# Allegro board Test_Version_2Layer_Buidling.brd
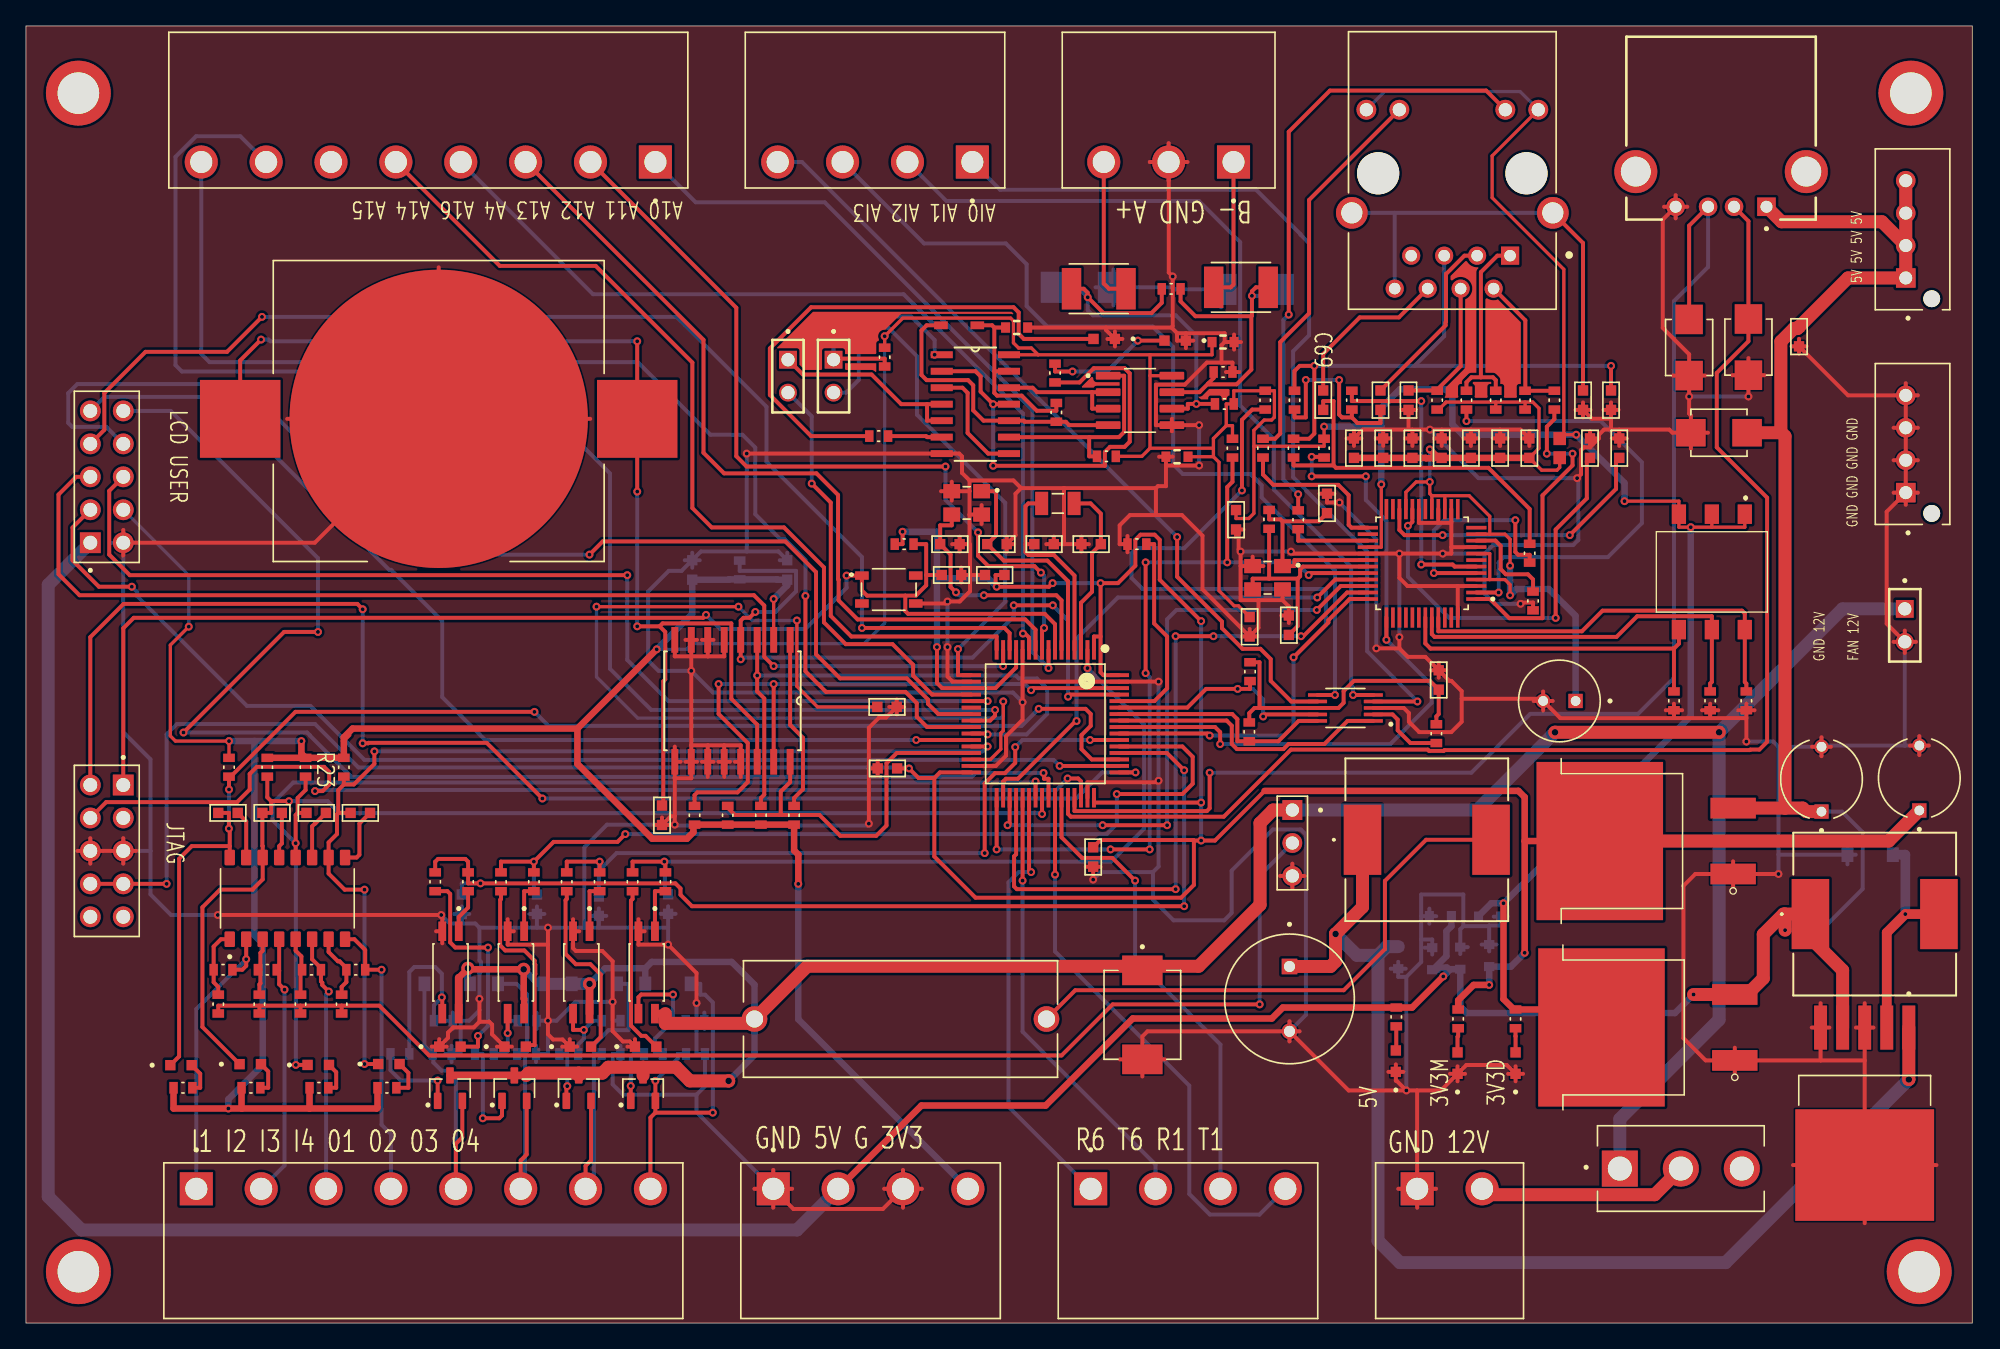
[diagram p0: board, top side]
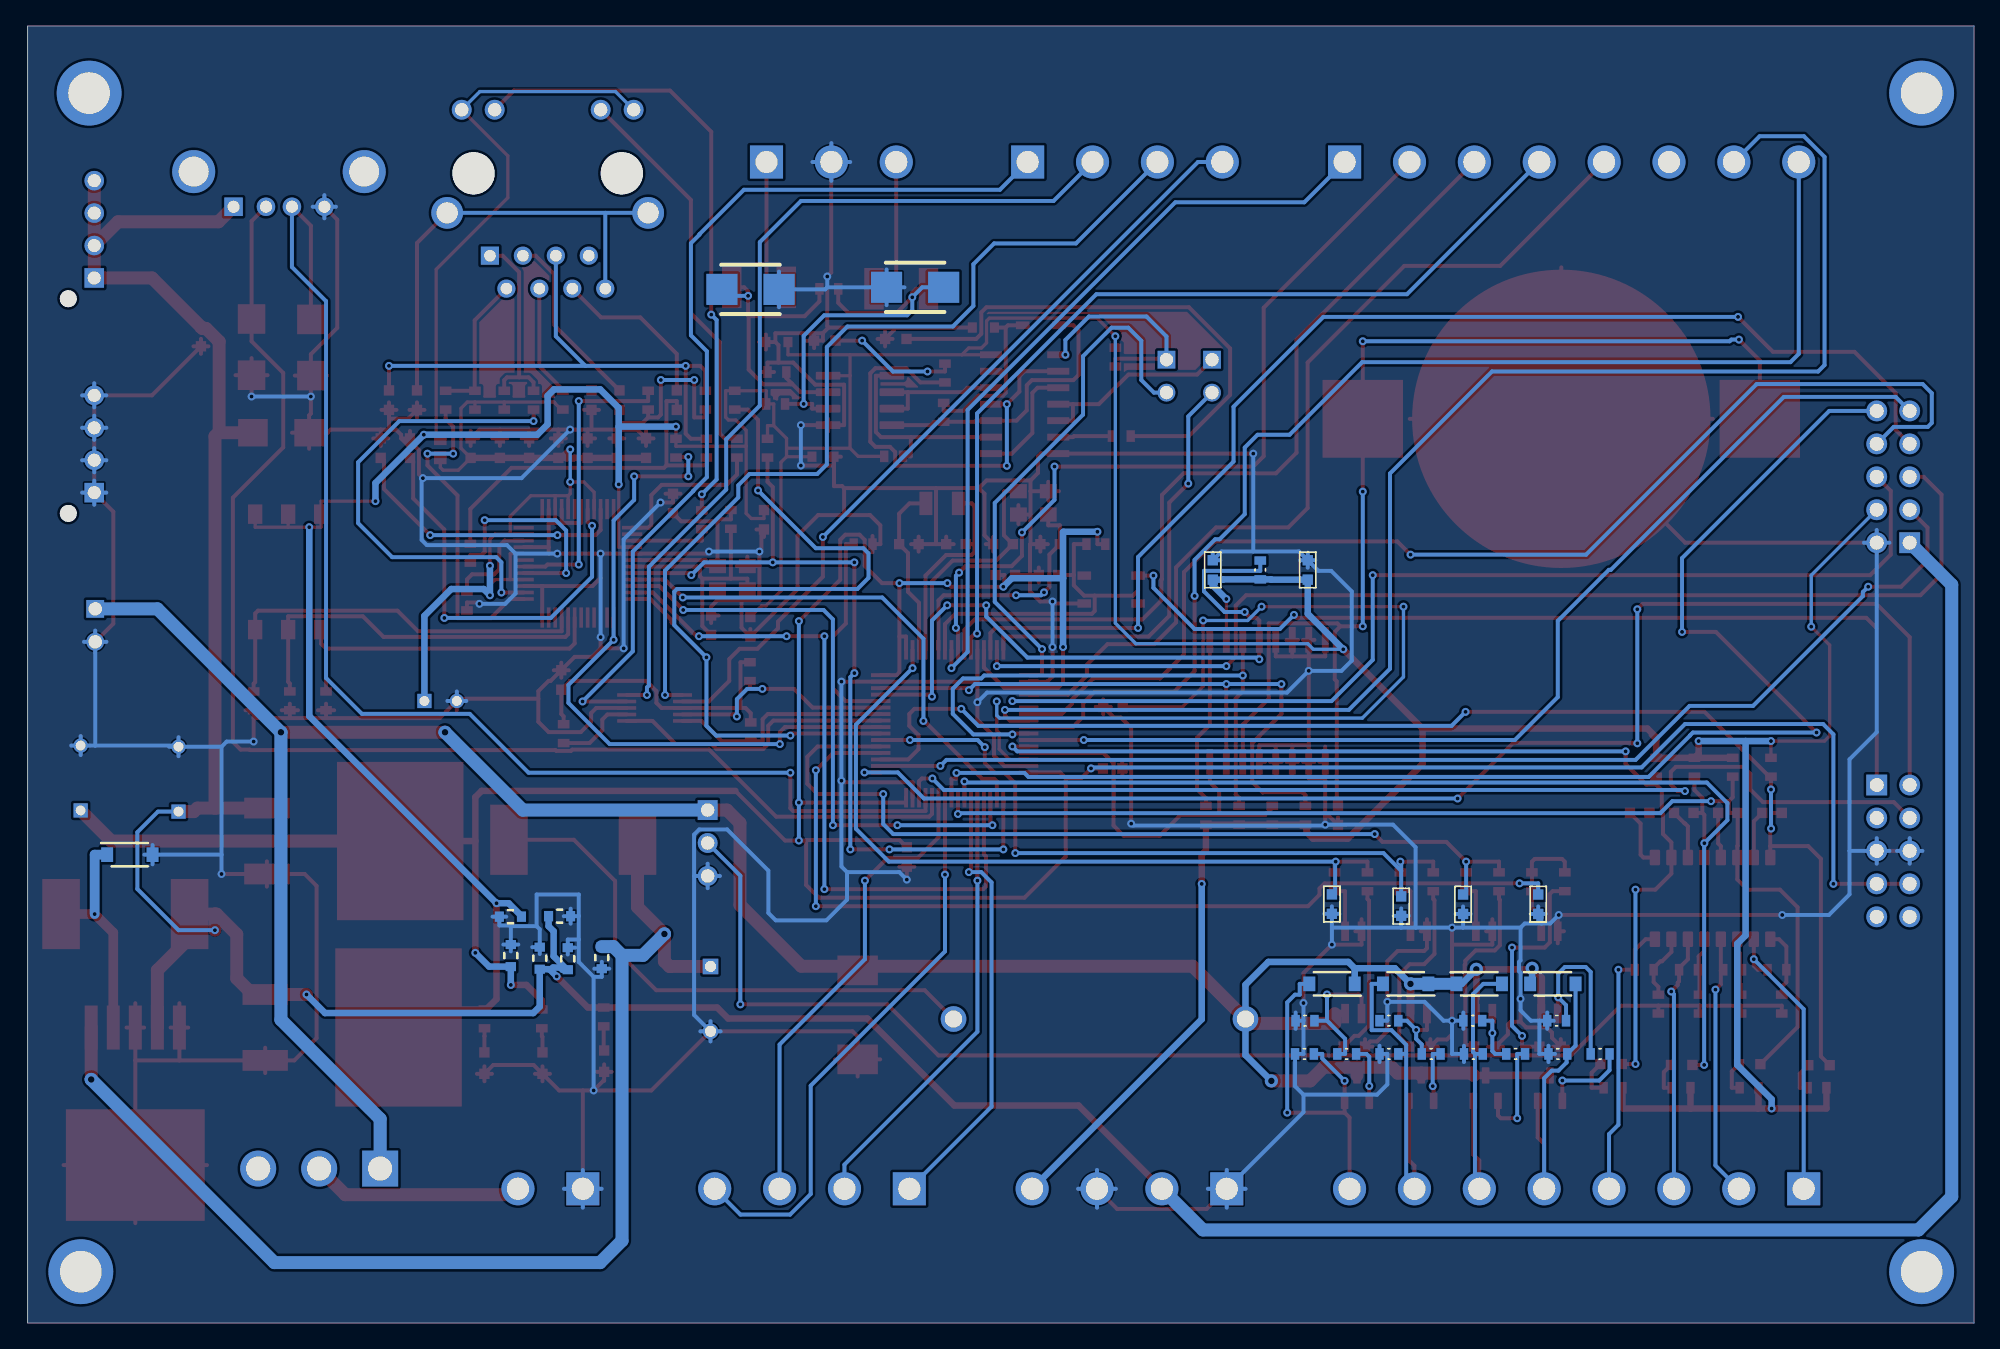
[diagram p1: board, bottom side, seen from below]

Outline 150 x 100 mm; copper layers: TOP, BOTTOM. Coordinates in mm from the lower left corner of the outline.
Outline path: 0,100 0,0 150,0 150,100 0,100

## Design rules (mm)
constraint set DEFAULT: min track width 0.305
nets with their own width: min track width 0.305; nets 5V_MAIN

## Placement (name value [footprint] x y rotation side)
BT1  BAT HOLDER  [BAT_BAT-HLD-006-SMT]  31.81 69.71 0 top
C23  10uF 0603  [WCAP-CSGP_0603_W]  105.76 28.17 90 bottom
C24  220uF/16V  [CAPPRD500W50D630H1120]  138.38 41.93 90 top
C25  10uF 0603  [WCAP-CSGP_0603_W]  108.38 28.09 270 bottom
C30  1 uF 0603  [WCAP-CSGP_0603_W]  110.54 28.13 270 bottom
C31  1 uF 0603  [WCAP-CSGP_0603_W]  112.77 28.33 270 bottom
C51  0603  [CAPC0603X33N]  15.57 39.33 180 top
C52  0603  [CAPC0603X33N]  18.97 39.33 180 top
C53  0603  [CAPC0603X33N]  22.37 39.33 180 top
C54  0603  [CAPC0603X33N]  25.77 39.33 180 top
C59  104  [CAPC0603X33N]  33.59 32.29 90 bottom
C60  104  [CAPC0603X33N]  39.38 32.29 90 bottom
C62  104  [CAPC0603X33N]  58.67 58.06 270 bottom
C63  104  [CAPC0603X33N]  51.35 58.06 270 bottom
C64  4.7uF  [CAPC0603X33N]  120.54 67.45 270 top
C65  10nF  [CAPC0603X33N]  122.8 67.45 90 top
C66  4.7uF  [CAPC0603X33N]  94.31 53.68 270 top
C67  4.7uF  [CAPC0603X33N]  93.26 61.93 270 top
C68  6.8nF  [CAPC0603X33N]  104.39 71.15 270 top
C69  6.8nF  [CAPC0603X33N]  99.98 71.15 90 top
C72  10uF  [CAPC0603X33N]  109.11 67.45 270 top
C73  100nF  [CAPC0603X33N]  106.85 67.45 270 top
C74  100nF  [CAPC0603X33N]  104.6 67.45 270 top
C75  100nF  [CAPC0603X33N]  102.35 67.45 270 top
C76  100nF  [CAPC0603X33N]  111.36 67.45 270 top
C77  100nF  [CAPC0603X33N]  113.61 67.45 270 top
C78  100nF  [CAPC0603X33N]  115.87 67.45 270 top
C79  10nF  [CAPC0603X33N]  122.16 71.15 90 top
C80  22nF  [CAPC0603X33N]  106.55 71.15 90 top
C81  18pF  [CAPC0603X33N]  100.27 63.19 90 top
C82  18pF  [CAPC0603X33N]  97.33 53.8 90 top
C95  10uF  [CAPC0603X33N]  136.65 76.05 270 top
C110  0.1uF  [CAPC0603X33N]  108.88 49.58 270 top
C111  100nF  [CAPC0603X33N]  49.02 39.15 90 top
C141  10uF 16V  [CAPPRD250W50D630H1120]  118.18 47.96 180 top
C142  1nF 2KV  [CAPC0603X33N]  120 71.15 270 top
C153  1 uF 0603  [WCAP-CSGP_0603_W]  109.01 31.37 0 bottom
C154  1 uF 0603  [WCAP-CSGP_0603_W]  112.8 31.33 180 bottom
C155  4.7uF  [CAPC0603X33N]  66.36 47.5 180 top
C156  100nF  [CAPC0603X33N]  74.66 57.67 0 top
C160  100nF  [CAPC0603X33N]  71.33 57.67 180 top
C161  20pF  [CAPC0603X33N]  74.84 60.05 180 top
C162  20pF  [CAPC0603X33N]  71.21 60.05 180 top
C163  4.3pF  [CAPC0603X33N]  78.46 60.05 180 top
C164  4.3pF  [CAPC0603X33N]  82.09 60.05 0 top
C165  104  [CAPC0603X33N]  44.15 32.14 90 bottom
C168  104  [CAPC0603X33N]  49.49 32.3 90 bottom
C169  100nF  [CAPC0603X33N]  82.25 35.93 90 top
C170  100nF  [CAPC0603X33N]  66.39 42.76 0 top
C171  10uF 0603  [WCAP-CSGP_0603_W]  92.26 75.63 0 top
C172  0.1uF  [WCAP-CSGP_0603_W]  76.35 76.75 0 top
C173  0.1uF  [WCAP-CSGP_0603_W]  88.71 66.79 0 top
C174  680uF/25V/10x13  [CAPPRD500W60D1000H1600]  97.38 24.99 270 top
C175  220uF/16V  [CAPPRD500W50D630H1120]  145.92 42.02 90 top
D6  1N4007W-T  [SODFL3818X130N]  142.13 36.11 180 bottom
D10  TVS_SMBJ12CA  [DIOM4336X265N]  130.48 68.64 180 top
D11  TVS_SMBJ12CA  [DIOM4336X265N]  132.75 75.24 270 top
D12  TVS_SMBJ12CA  [DIOM4336X265N]  128.18 75.21 270 top
D27  0603  [LED_KP-1608SURCK]  11.95 19.88 0 top
D28  0603  [LED_KP-1608SURCK]  17.29 19.96 0 top
D29  0805  [LED_KP-1608SURCK]  22.53 19.9 0 top
D30  0603  [LED_KP-1608SURCK]  27.97 19.97 0 top
D35  0603  [LED_KP-1608SURCK]  32.67 21.31 0 top
D36  1N4007W-T  [SODFL3818X130N]  32.46 26.15 180 bottom
D37  1N4007W-T  [SODFL3818X130N]  38.13 26.15 180 bottom
D38  0603  [LED_KP-1608SURCK]  37.7 21.31 0 top
D105  0603  [LED_KP-1608SURCK]  114.8 20.04 90 top
D106  0603  [LED_KP-1608SURCK]  105.58 20.19 90 top
D108  0603  [LED_KP-1608SURCK]  110.33 20.04 90 top
D109  1N4007W-T  [SODFL3818X130N]  43.81 26.15 0 bottom
D110  0603  [LED_KP-1608SURCK]  42.73 21.31 0 top
D111  1N4007W-T  [SODFL3818X130N]  49.48 26.15 0 bottom
D112  0603  [LED_KP-1608SURCK]  47.76 21.31 0 top
D115  1N4148  [SODFL2512X100N]  71.92 76.92 0 top
D116  TX LED  [LED_KP-1608SURCK]  88.57 75.74 180 top
D117  RX LED  [LED_KP-1608SURCK]  83.1 75.87 180 top
D118  TVS  [SMB_NOPOL]  81.61 79.85 0 bottom
D119  TVS  [SMB_NOPOL]  94.3 79.69 180 bottom
D121  S10MC  [DIOM6859X262N]  86.04 23.76 270 top
F4  1812  [FUSER_MF-MSMF200]  82.68 79.74 0 top
F5  1812  [FUSER_MF-MSMF200]  93.64 79.85 180 top
F8  4628  [FUSE_4628]  67.4 23.44 0 top
FL4  Ferri Bread  [BEADC1608X65N]  118.2 67.45 270 top
J10  HR911105A  [HANRUN_HR911105A]  109.93 88.64 0 top
J22  5-146281-3  [TE_5-146281-3]  97.6 37.01 270 top
J23  GPIO_12V  [CUI_TBP04R1-500-08GR]  13.13 10.35 0 top
J24  ADC_MCU  [CUI_TBP04R1-500-08GR]  48.51 89.51 180 top
J25  TMS-101-21-G-S  [SAMTEC_TMS-101-21-G-S]  145.27 94.82 0 top
J26  ADC16BIT  [CUI_TBP04R1-500-04BE]  72.94 89.51 180 top
J27  POWER  [CUI_TBP04R12-500-02GR]  107.22 10.35 0 top
J28  RS485  [CUI_TBP04R12-500-03GR]  93.06 89.51 180 top
J62  UART  [CUI_TBP04R1-500-04BE]  82.06 10.35 0 top
J66  USB-A-S-X-X-TH  [SAMTEC_USB-A-S-X-X-TH]  130.64 88.77 180 top
J67  ESQ-102-48-L-S  [SAMTEC_ESQ-102-48-L-S]  58.73 74.27 270 top
J68  ESQ-102-48-L-S  [SAMTEC_ESQ-102-48-L-S]  62.24 74.27 270 top
J69  5V_3V3  [CUI_TBP04R1-500-04BE]  57.59 10.35 0 top
J71  FAN 12V  [SAMTEC_ESQ-102-48-L-S]  144.8 55.06 270 top
J72  LCD 12864  [VALCON_V06-2X5-SV-GF-1]  6.23 65.24 270 top
J73  TMS-101-21-G-S  [SAMTEC_TMS-101-21-G-S]  4.04 94.82 0 top
J74  TMS-101-21-G-S  [SAMTEC_TMS-101-21-G-S]  4.04 3.96 0 top
J75  TMS-101-21-G-S  [SAMTEC_TMS-101-21-G-S]  145.91 3.96 0 top
J76  JTAG  [VALCON_V06-2X5-SV-GF-1]  6.23 36.4 90 top
J77  B4B-XH-AM_LFSN  [JST_B4B-XH-AM_LFSN]  145.4 67.77 270 top
J78  B4B-XH-AM_LFSN  [JST_B4B-XH-AM_LFSN]  145.4 84.32 270 top
L1  33uH  [IND_CDRH127LDNP-470MC_SUM]  142.48 31.53 0 top
L2  33uH  [IND_CDRH127LDNP-470MC_SUM]  107.96 37.26 0 top
Q3  BC817  [SOT95P230X110-3N]  32.68 18.11 90 top
Q4  BC817  [SOT95P230X110-3N]  37.64 18.11 90 top
Q6  BC817  [SOT95P230X110-3N]  42.6 18.11 90 top
Q7  BC817  [SOT95P230X110-3N]  47.56 18.11 90 top
R2  10K  [RESC1508X55N]  94.28 45.58 270 top
R3  10K  [RESC1508X55N]  94.34 50.22 270 top
R4  10K  [RESC1508X55N]  108.7 45.44 270 top
R17  4K7  [RESC1508X55N]  12.1 18.14 0 top
R18  4K7  [RESC1508X55N]  17.34 18.14 0 top
R19  4K7  [RESC1508X55N]  22.58 18.14 0 top
R20  4K7  [RESC1508X55N]  27.82 18.14 0 top
R21  4K7  [RESC1508X55N]  15.65 42.85 270 top
R22  4K7  [RESC1508X55N]  18.6 42.85 270 top
R23  4K7  [RESC1508X55N]  21.55 42.85 270 top
R24  4K7  [RESC1508X55N]  24.5 42.85 270 top
R25  4K3  [RESC1508X55N]  14.82 24.59 270 top
R26  510  [RESC1508X55N]  15.19 27.24 0 top
R27  4K3  [RESC1508X55N]  17.99 24.59 270 top
R28  510  [RESC1508X55N]  18.6 27.24 0 top
R29  4K3  [RESC1508X55N]  21.16 24.59 270 top
R30  510  [RESC1508X55N]  22.01 27.24 0 top
R31  4K3  [RESC1508X55N]  24.33 24.59 270 top
R32  510  [RESC1508X55N]  25.42 27.24 0 top
R49  100  [RESC1508X55N]  34.08 34.02 90 top
R50  1K  [RESC1508X55N]  31.54 34.02 270 top
R51  1K  [RESC1508X55N]  28.82 20.75 0 bottom
R52  4K7  [RESC1508X55N]  32.17 23.31 0 bottom
R53  4K7  [RESC1508X55N]  32.08 20.75 0 bottom
R54  100  [RESC1508X55N]  39.14 34.02 90 top
R55  1K  [RESC1508X55N]  35.33 20.75 0 bottom
R56  1K  [RESC1508X55N]  36.61 34.02 270 top
R57  4K7  [RESC1508X55N]  38.63 23.31 0 bottom
R58  4K7  [RESC1508X55N]  38.59 20.75 0 bottom
R64  10K  [RESC1508X55N]  56.64 39.15 270 top
R67  4K7  [RESC1508X55N]  100.05 67.45 90 top
R68  4K7  [RESC1508X55N]  95.51 71.15 90 top
R69  12K4  [RESC1508X55N]  116.15 55.67 270 top
R70  4K7  [RESC1508X55N]  92.99 67.45 90 top
R71  330  [RESC1508X55N]  98.05 61.93 270 top
R72  330  [RESC1508X55N]  95.34 67.45 270 top
R73  49R9  [RESC1508X55N]  115.54 71.15 90 top
R74  49R9  [RESC1508X55N]  113.28 71.15 90 top
R75  10K  [RESC1508X55N]  108.76 71.15 90 top
R76  33  [RESC1508X55N]  111.02 71.15 270 top
R77  33  [RESC1508X55N]  117.79 71.15 270 top
R78  33  [RESC1508X55N]  102.19 71.15 90 top
R79  33  [RESC1508X55N]  115.89 59.35 270 top
R80  49R9  [RESC1508X55N]  97.77 71.15 90 top
R81  49R9  [RESC1508X55N]  97.69 67.45 90 top
R82  1M  [RESC1508X55N]  95.81 61.96 90 top
R168  4K7  [RESC1508X55N]  54.09 39.15 270 top
R169  4K7  [RESC1508X55N]  51.53 39.15 270 top
R224  1K5  [RESC1508X55N]  114.8 23.45 90 top
R225  2K2  [RESC1508X55N]  105.61 23.6 90 top
R227  1K5  [RESC1508X55N]  110.38 23.45 90 top
R233  4K7  [RESC1508X55N]  67.68 60.05 180 top
R234  10K  [RESC1508X55N]  85.62 60.05 180 top
R235  4K7  [RESC1508X55N]  132.59 47.97 270 top
R236  4K7  [RESC1508X55N]  129.8 47.97 270 top
R237  4K7  [RESC1508X55N]  127.01 47.97 270 top
R238  100  [RESC1508X55N]  44.21 34.02 90 top
R239  1K  [RESC1508X55N]  41.84 20.75 0 bottom
R240  1K  [RESC1508X55N]  41.68 34.02 270 top
R241  4K7  [RESC1508X55N]  45.1 23.31 0 bottom
R242  4K7  [RESC1508X55N]  45.09 20.75 0 bottom
R243  100  [RESC1508X55N]  49.28 34.02 90 top
R244  1K  [RESC1508X55N]  48.35 20.75 0 bottom
R245  1K  [RESC1508X55N]  46.75 34.02 270 top
R246  4K7  [RESC1508X55N]  51.56 23.31 0 bottom
R247  4K7  [RESC1508X55N]  51.6 20.75 0 bottom
R249  4K7  [RESC1508X55N]  55.01 58.06 270 bottom
R250  10K  [RESC1508X55N]  59.2 39.15 270 top
R253  120  [RESC1508X55N]  88.26 79.73 0 top
R256  53K  [RESC1508X55N]  79.41 70.21 270 top
R257  2K4  [RESC1508X55N]  79.31 73.24 270 top
R258  4K6  [RESC1508X55N]  83.27 66.82 0 top
R259  2K4  [RESC1508X55N]  65.72 68.38 0 top
R260  4K6  [RESC1508X55N]  66.18 74.47 270 top
R261  4K6  [RESC1508X55N]  92.26 73.32 0 top
R262  4K6  [RESC1508X55N]  92.36 70.86 0 top
S4  4.2x3.3mm  [SW_SKRPACE010]  66.5 56.55 0 top
S5  SW  [SW_500SSP1S1M2REA]  127.54 11.91 0 top
S15  DIP2.54  [A6S3104H]  129.93 57.91 180 top
U2  -  [LD1085D2T33R]  124.87 37.16 180 top
U8  TLP290-4  [OPTO_TLP290-4]  20.15 32.74 90 top
U10  EL3H7-G  [SOIC127P700X200-4N]  32.72 27.03 270 top
U11  EL3H7-G  [SOIC127P700X200-4N]  37.76 27.03 270 top
U13  DS3231S  [SOIC127P1032X265-16N]  54.45 47.97 270 top
U14  W5500  [QFP50P900X900X160-48N]  107.6 58.57 180 top
U33  -  [LD1085D2T33R]  125 22.79 180 top
U34  STM32F411RET6  [QFP50P1200X1200X160-64N]  78.56 46.2 270 top
U37  EL3H7-G  [SOIC127P700X200-4N]  42.8 27.03 270 top
U38  EL3H7-G  [SOIC127P700X200-4N]  47.84 27.03 270 top
U39  74HC04D  [SOIC127P600X175-14N]  73.17 70.84 0 top
U40  MAX3485EESA+  [SOIC127P600X175-8N]  85.86 71.13 0 top
U44  ADS1115IDGSR  [ADS]  101.69 47.42 180 top
U45  LM2596SX-12NOPB  [VREG_LM2596SX-12NOPB]  141.71 12.18 270 top
Y6  3225/ Xtal 25Mhz  [XTAL_ECS-250-6-33B2-CTN-TR3]  95.69 57.46 180 top
Y11  3215 32.768Khz  [3215]  79.53 63.19 180 top
Y12  3225/ Xtal 8Mhz  [XTAL_ECS-250-6-33B2-CTN-TR3]  72.5 63.23 180 top

## Library data of the parts
BT1 = BAT-HLD-006-SMT
C23 C25 C30 C31 C153 C154 C171-C173 = GRM033C71C104KE14J_0
C24 C175 = ECEA1EN470UB_0
C51-C54 C59 C60 C62-C69 C72-C82 C95 C110 C111 C142 C155 C156 C160-C165 C168-C170 = GRM033C71C104KE14J
C141 = ECEA1HN100UI
C174 = EEUFK1V391
D6 D36 D37 D109 D111 = 1N4007W-T
D10-D12 = SMBJ12CA
D27-D30 D35 D38 D105 D106 D108 D110 D112 D116 D117 = KP-1608SURCK
D115 = 1N4148WS
D118 D119 = ZENER_BIDI
D121 = S10MC
F4 F5 = MF-MSMF200
F8 = 4628
FL4 = BLM18SG121TN1D
J10 = HR911105A
J22 = 5-146281-3
J23 J24 = TBP04R1-500-08GR
J25 J73 J74 = TMS-101-21-G-S_2
J26 J62 J69 = TBP04R1-500-04BE
J27 = TBP04R12-500-02GR
J28 = TBP04R12-500-03GR
J66 = USB-A-S-X-X-TH
J67 J68 = ESQ-102-48-L-S_0
J71 = ESQ-102-48-L-S_1
J72 J76 = V06-2X5-SV-GF-1
J75 = TMS-101-21-G-S
J77 J78 = B4B-XH-AM_LFSN
L1 L2 = IND
Q3 Q4 Q6 Q7 = BC817
R2-R4 R17-R32 R49-R58 R64 R67-R82 R168 R169 R224 R225 R227 R233-R247 R249 R250 R253 R256-R262 = 6-1879417-7_0
S4 = SKRPACE010
S5 = 500SSP1S1M2REA
S15 = A6S-3101-H
U2 U33 = LD1085D2T33R
U8 = TLP290-4
U10 U11 U37 U38 = EL3H7-G
U13 = DS3231S
U14 = W5500_0
U34 = STM32F411RET6
U39 = 74HC04D
U40 = MAX3485EESA+
U44 = ADS1115IDGSR
U45 = LM2596SX-12NOPB
Y6 Y12 = ECS-250-6-33B2-CTN-TR3
Y11 = CM7V-T1A-LOW-ESR-32768KHZ-6PF

## Footprints (pads in the part's own frame, mm; a bottom-side part is the same pattern mirrored in y, then rotated)
3215
  rect 1x1.8 smd: 1(-1.25,0) 2(1.25,0)
A6S3104H
  rect 1.1x1.5 smd: 1(-2.54,-4.45) 2(-2.54,4.45) 3(0,-4.45) 4(0,4.45) 5(2.54,-4.45) 6(2.54,4.45)
ADS
  custom 1.47x0.28 smd: 1(-2.15,1) 2(-2.15,0.5) 3(-2.15,0) 4(-2.15,-0.5) 5(-2.15,-1) 6(2.15,-1) 7(2.15,-0.5) 8(2.15,0) 9(2.15,0.5) 10(2.15,1)
BAT_BAT-HLD-006-SMT
  round 23 smd: N(0,0)
  rect 6.2x6 smd: P1(-15.3,0) P2(15.3,0)
BEADC1608X65N
  rect 1x0.97 smd: 1(-0.735,0) 2(0.735,0)
CAPC0603X33N
  rect 0.8x0.8 smd: 1(-0.75,0) 2(0.75,0)
CAPPRD250W50D630H1120
  round 1.1 hole 0.75: N(1.25,0)
  rect 1.1x1.1 hole 0.75: P(-1.25,0)
CAPPRD500W50D630H1120
  round 1.1 hole 0.75: N(2.5,0)
  rect 1.1x1.1 hole 0.75: P(-2.5,0)
CAPPRD500W60D1000H1600
  round 1.2 hole 0.85: N(2.5,0)
  rect 1.2x1.2 hole 0.85: P(-2.5,0)
CUI_TBP04R1-500-04BE
  rect 2.55x2.55 hole 1.7: 1(0,0)
  round 2.55 hole 1.7: 2(5,0) 3(10,0) 4(15,0)
CUI_TBP04R1-500-08GR
  rect 2.55x2.55 hole 1.7: 1(0,0)
  round 2.55 hole 1.7: 2(5,0) 3(10,0) 4(15,0) 5(20,0) 6(25,0) 7(30,0) 8(35,0)
CUI_TBP04R12-500-02GR
  rect 2.55x2.55 hole 1.7: 1(0,0)
  round 2.55 hole 1.7: 2(5,0)
CUI_TBP04R12-500-03GR
  rect 2.55x2.55 hole 1.7: 1(0,0)
  round 2.55 hole 1.7: 2(5,0) 3(10,0)
DIOM4336X265N
  rect 2.28x2.12 smd: 1(-2.165,0) 2(2.165,0)
DIOM6859X262N
  rect 2.29x3.12 smd: A(3.43,0) C(-3.43,0)
FUSE_4628
  round 1.98 hole 1.32: 1(-11.25,0) 2(11.25,0)
FUSER_MF-MSMF200
  rect 1.5x3.2 smd: 1(-2.1,0) 2(2.1,0)
HANRUN_HR911105A
  round 3.25 hole 3.25 unplated: (-5.715,0) (5.715,0)
  rect 1.398x1.398 hole 0.89: 1(4.45,-6.35)
  round 1.398 hole 0.89: 2(3.18,-8.89) 3(1.91,-6.35) 4(0.64,-8.89) 5(-0.63,-6.35) 6(-1.9,-8.89) 7(-3.17,-6.35) 8(-4.44,-8.89)
  round 1.53 hole 1.02: 9(6.625,4.9) 10(4.085,4.9) 11(-4.085,4.9) 12(-6.625,4.9)
  round 2.445 hole 1.63: 15(7.745,-3.05) 16(-7.745,-3.05)
IND_CDRH127LDNP-470MC_SUM
  rect 2.896x5.41 smd: 1(-4.953,0) 2(4.953,0)
JST_B4B-XH-AM_LFSN
  round 1.3 hole 1.3 unplated: (5.35,1.475)
  rect 1.508x1.508 hole 1: 1(3.75,-0.525)
  round 1.508 hole 1: 2(1.25,-0.525) 3(-1.25,-0.525) 4(-3.75,-0.525)
LD1085D2T33R
  rect 3.5x1.6 smd: 1(-6.7,2.54) 2(-6.7,-2.54)
  rect 9.75x12.2 smd: 3(3.575,0)
LED_KP-1608SURCK
  rect 0.8x0.8 smd: 1(0.825,0) 2(-0.825,0)
OPTO_TLP290-4
  custom 1.2x0.8 smd: 1(-3.15,4.445) 2(-3.15,3.175) 3(-3.15,1.905) 4(-3.15,0.635) 5(-3.15,-0.635) 6(-3.15,-1.905) 7(-3.15,-3.175) 8(-3.15,-4.445) 9(3.15,-4.445) 10(3.15,-3.175) 11(3.15,-1.905) 12(3.15,-0.635) 13(3.15,0.635) 14(3.15,1.905) 15(3.15,3.175) 16(3.15,4.445)
QFP50P900X900X160-48N
  rect 1.56x0.28 smd: 1(-4.18,2.75) 2(-4.18,2.25) 3(-4.18,1.75) 4(-4.18,1.25) 5(-4.18,0.75) 6(-4.18,0.25) 7(-4.18,-0.25) 8(-4.18,-0.75) 9(-4.18,-1.25) 10(-4.18,-1.75) 11(-4.18,-2.25) 12(-4.18,-2.75) 25(4.18,-2.75) 26(4.18,-2.25) 27(4.18,-1.75) 28(4.18,-1.25) 29(4.18,-0.75) 30(4.18,-0.25) 31(4.18,0.25) 32(4.18,0.75) 33(4.18,1.25) 34(4.18,1.75) 35(4.18,2.25) 36(4.18,2.75)
  rect 0.28x1.56 smd: 13(-2.75,-4.18) 14(-2.25,-4.18) 15(-1.75,-4.18) 16(-1.25,-4.18) 17(-0.75,-4.18) 18(-0.25,-4.18) 19(0.25,-4.18) 20(0.75,-4.18) 21(1.25,-4.18) 22(1.75,-4.18) 23(2.25,-4.18) 24(2.75,-4.18) 37(2.75,4.18) 38(2.25,4.18) 39(1.75,4.18) 40(1.25,4.18) 41(0.75,4.18) 42(0.25,4.18) 43(-0.25,4.18) 44(-0.75,4.18) 45(-1.25,4.18) 46(-1.75,4.18) 47(-2.25,4.18) 48(-2.75,4.18)
QFP50P1200X1200X160-64N
  rect 1.5x0.3 smd: 1(-5.7,3.75) 2(-5.7,3.25) 3(-5.7,2.75) 4(-5.7,2.25) 5(-5.7,1.75) 6(-5.7,1.25) 7(-5.7,0.75) 8(-5.7,0.25) 9(-5.7,-0.25) 10(-5.7,-0.75) 11(-5.7,-1.25) 12(-5.7,-1.75) 13(-5.7,-2.25) 14(-5.7,-2.75) 15(-5.7,-3.25) 16(-5.7,-3.75) 33(5.7,-3.75) 34(5.7,-3.25) 35(5.7,-2.75) 36(5.7,-2.25) 37(5.7,-1.75) 38(5.7,-1.25) 39(5.7,-0.75) 40(5.7,-0.25) 41(5.7,0.25) 42(5.7,0.75) 43(5.7,1.25) 44(5.7,1.75) 45(5.7,2.25) 46(5.7,2.75) 47(5.7,3.25) 48(5.7,3.75)
  rect 0.3x1.5 smd: 17(-3.75,-5.7) 18(-3.25,-5.7) 19(-2.75,-5.7) 20(-2.25,-5.7) 21(-1.75,-5.7) 22(-1.25,-5.7) 23(-0.75,-5.7) 24(-0.25,-5.7) 25(0.25,-5.7) 26(0.75,-5.7) 27(1.25,-5.7) 28(1.75,-5.7) 29(2.25,-5.7) 30(2.75,-5.7) 31(3.25,-5.7) 32(3.75,-5.7) 49(3.75,5.7) 50(3.25,5.7) 51(2.75,5.7) 52(2.25,5.7) 53(1.75,5.7) 54(1.25,5.7) 55(0.75,5.7) 56(0.25,5.7) 57(-0.25,5.7) 58(-0.75,5.7) 59(-1.25,5.7) 60(-1.75,5.7) 61(-2.25,5.7) 62(-2.75,5.7) 63(-3.25,5.7) 64(-3.75,5.7)
RESC1508X55N
  rect 0.65x0.9 smd: 1(-0.725,0) 2(0.725,0)
SAMTEC_ESQ-102-48-L-S
  rect 1.37x1.37 hole 1.02: 01(0,0)
  round 1.37 hole 1.02: 02(2.54,0)
SAMTEC_TMS-101-21-G-S
  round 5 hole 3.2: 03(0,0)
SAMTEC_USB-A-S-X-X-TH
  rect 1.428x1.428 hole 0.92: 01(-3.5,2.71)
  round 1.428 hole 0.92: 02(-1,2.71) 03(1,2.71) 04(3.5,2.71)
  round 3.316 hole 2.3: S1(-6.57,0) S2(6.57,0)
SMB_NOPOL
  rect 2.4x2.4 smd: A(2.2,0) C(-2.2,0)
SODFL2512X100N
  rect 1.05x0.6 smd: A(1.4,0) C(-1.4,0)
SODFL3818X130N
  rect 0.92x1.13 smd: 1(-1.75,0) 2(1.75,0)
SOIC127P600X175-8N
  custom 1.9x0.6 smd: 1(-2.455,1.905) 2(-2.455,0.635) 3(-2.455,-0.635) 4(-2.455,-1.905) 5(2.455,-1.905) 6(2.455,-0.635) 7(2.455,0.635) 8(2.455,1.905)
SOIC127P600X175-14N
  rect 1.702x0.533 smd: 1(-2.591,3.81) 2(-2.591,2.54) 3(-2.591,1.27) 4(-2.591,0) 5(-2.591,-1.27) 6(-2.591,-2.54) 7(-2.591,-3.81) 8(2.591,-3.81) 9(2.591,-2.54) 10(2.591,-1.27) 11(2.591,0) 12(2.591,1.27) 13(2.591,2.54) 14(2.591,3.81)
SOIC127P700X200-4N
  rect 1.5x0.6 smd: 1(-3.175,0.635) 2(-3.175,-0.635) 3(3.175,-0.635) 4(3.175,0.635)
SOIC127P1032X265-16N
  rect 1.981x0.533 smd: 1(-4.699,4.445) 2(-4.699,3.175) 3(-4.699,1.905) 4(-4.699,0.635) 5(-4.699,-0.635) 6(-4.699,-1.905) 7(-4.699,-3.175) 8(-4.699,-4.445) 9(4.699,-4.445) 10(4.699,-3.175) 11(4.699,-1.905) 12(4.699,-0.635) 13(4.699,0.635) 14(4.699,1.905) 15(4.699,3.175) 16(4.699,4.445)
SOT95P230X110-3N
  custom 1.26x0.59 smd: 1(-0.98,0.95) 2(-0.98,-0.95) 3(0.98,0)
SW_500SSP1S1M2REA
  rect 2.775x2.775 hole 1.85: 1(-4.7,0)
  round 2.775 hole 1.85: 2(0,0) 3(4.7,0)
SW_SKRPACE010
  rect 1.05x0.65 smd: 1(-2.075,1.075) 2(2.075,1.075) 3(-2.075,-1.075) 4(2.075,-1.075)
TE_5-146281-3
  rect 1.53x1.53 hole 1.02: 1(-2.54,0)
  round 1.53 hole 1.02: 2(0,0) 3(2.54,0)
VALCON_V06-2X5-SV-GF-1
  rect 1.605x1.605 hole 1.07: 1(5.08,-1.27)
  round 1.605 hole 1.07: 2(5.08,1.27) 3(2.54,-1.27) 4(2.54,1.27) 5(0,-1.27) 6(0,1.27) 7(-2.54,-1.27) 8(-2.54,1.27) 9(-5.08,-1.27) 10(-5.08,1.27)
VREG_LM2596SX-12NOPB
  rect 3.4x1 smd: 1(-10.6,3.4) 2(-10.6,1.7) 3(-10.6,0) 4(-10.6,-1.7) 5(-10.6,-3.4)
  rect 8.6x10.7 smd: 6(0,0)
WCAP-CSGP_0603_W
  rect 0.7x0.8 smd: 1(-0.85,0) 2(0.85,0)
XTAL_ECS-250-6-33B2-CTN-TR3
  rect 1.3x1.1 smd: 1(-1.15,-0.9) 2(1.15,-0.9) 3(1.15,0.9) 4(-1.15,0.9)
